# Altium PCB SJ2096POE.PcbDoc (part 2 of 5) (continued)
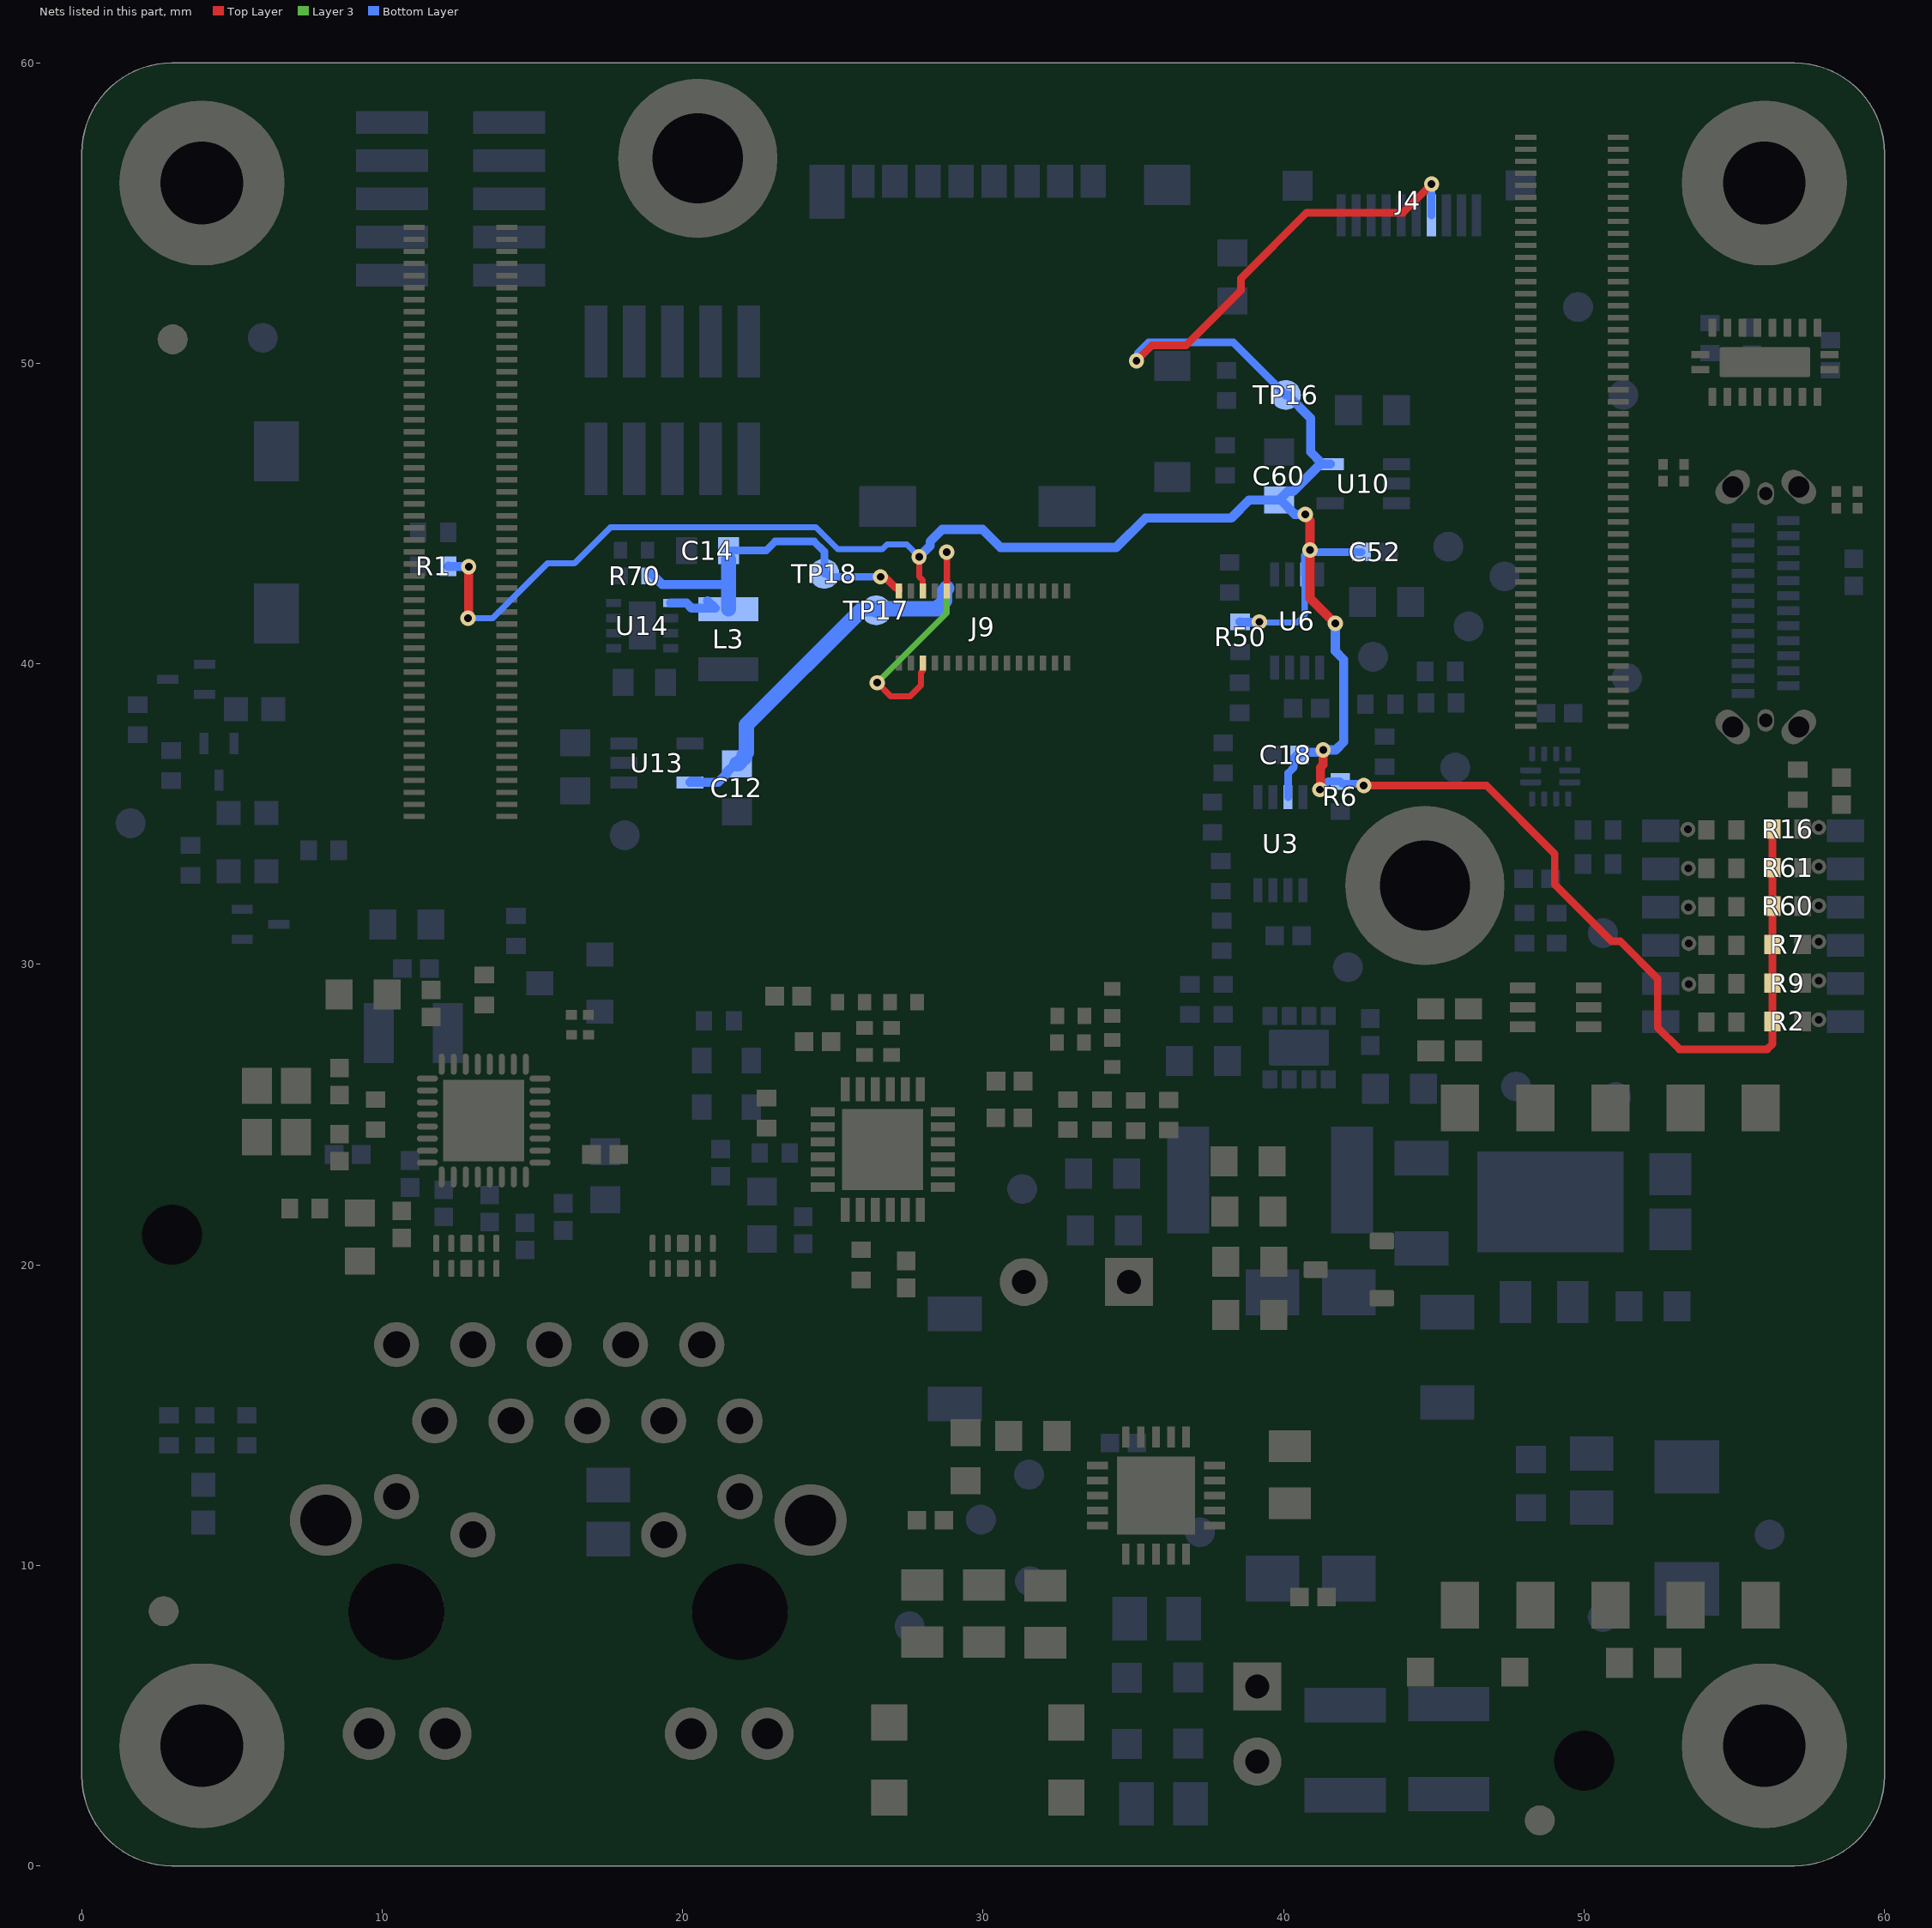
[diagram p4: the nets of this part, all layers, seen from the top]
## Part data (continued)
R187 R190: library part CRCW04021M80FKED, "RES SMD 1.8M OHM 1% 1/16W 0402", Case Code (Imperial)=0402, Case Code (Metric)=1005, Manufacturer 1=Vishay, Max Operating Temperature=155°C, Min Operating Temperature=-55°C, Package Quantity=10000, Power Rating=63mW, Resistance=1.8MR, Supplier Part Number 1=541-1.80MLCT-ND, Temperature Coefficient=100ppm/°C, Tolerance=1%, Voltage Rating=50V, Case/Package=0402, ComponentLink1Description=https://datasheet.ciiva.com/11812/0900766b80d98824-11812579.pdf?src-supplier=RSComponents, ComponentLink1URL=https://datasheet.ciiva.com/11812/0900766b80d98824-11812579.pdf?src-supplier=RSComponents, ComponentLink2Description=https://datasheet.ciiva.com/16886/dcrcwe3-16886536.pdf?src-supplier=Avnet+Europe, ComponentLink2URL=https://datasheet.ciiva.com/16886/dcrcwe3-16886536.pdf?src-supplier=Avnet+Europe, ComponentLink3Description=https://datasheet.ciiva.com/7800/1697337-7800987.pdf?src-supplier=Element14, ComponentLink3URL=https://datasheet.ciiva.com/7800/1697337-7800987.pdf?src-supplier=Element14, ComponentLink4Description=https://datasheet.ciiva.com/16786/70201119-16786875.pdf?src-supplier=Allied+Electronics, ComponentLink4URL=https://datasheet.ciiva.com/16786/70201119-16786875.pdf?src-supplier=Allied+Electronics, ComponentLink5Description=https://datasheet.ciiva.com/22676/1700796-22676027.pdf?src-supplier=Element14, ComponentLink5URL=https://datasheet.ciiva.com/22676/1700796-22676027.pdf?src-supplier=Element14, ComponentLink6Description=https://datasheet.ciiva.com/7800/1697337-7800988.pdf?src-supplier=Element14, ComponentLink6URL=https://datasheet.ciiva.com/7800/1697337-7800988.pdf?src-supplier=Element14, ComponentLink7Description=https://datasheet.ciiva.com/26316/fld-crcw-e3-data-en-26316605.pdf?src-supplier=Distrelec, ComponentLink7URL=https://datasheet.ciiva.com/26316/fld-crcw-e3-data-en-26316605.pdf?src-supplier=Distrelec, ComponentLink8Description=https://datasheet.ciiva.com/8336/dcrcwe3-8336646.pdf?src-supplier=Avnet, ComponentLink8URL=https://datasheet.ciiva.com/8336/dcrcwe3-8336646.pdf?src-supplier=Avnet, Composition="Thick Film", Contact Plating=Tin, Depth=0.5mm, Height=0.35mm, Lead Free="Lead Free", Length=1mm, Manufacturer Part Number 1=CRCW04021M80FKED, Military Standard=Not, Mount="Surface Mount", Number of Pins=2, Packaging="Tape and Reel", Pricing 1="1=0.10000, 10=0.03800, 100=0.01540, 1000=0.00690, 2500=0.00599, 5000=0.00495 (USD)", Radiation Hardening=No, REACH SVHC=Unknown, RoHS=Yes, Stock 1=26061, Supplier 1=Digi-Key, Termination=SMD/SMT, Voltage Rating (DC)=50V, Weight=2.3E-05oz, Width=0.5mm
SW1: library part A6H-6102, "SWITCH SLIDE DIP SPST 25MA 24V (SEALED)", Case/Package=DIP, Contact Resistance=200mR, Current Rating=25mA, Manufacturer 1=Omron, Max Operating Temperature=70°C, Max Voltage Rating (DC)=24V, Min Operating Temperature=-20°C, Package Quantity=54, Supplier Part Number 1=SW1117-ND, Actuator Length=0mm, Actuator Type="Slide (Standard)", ComponentLink1Description=https://datasheet.ciiva.com/26883/getdatasheetpartid-744653-26883354.pdf?src-supplier=Verical, ComponentLink1URL=https://datasheet.ciiva.com/26883/getdatasheetpartid-744653-26883354.pdf?src-supplier=Verical, ComponentLink2Description=https://datasheet.ciiva.com/2864/a6h-1110-2864768.pdf?src-supplier=Digi-Key, ComponentLink2URL=https://datasheet.ciiva.com/2864/a6h-1110-2864768.pdf?src-supplier=Digi-Key, ComponentLink3Description=https://datasheet.ciiva.com/1529/611565-1529044.pdf?src-supplier=Element14, ComponentLink3URL=https://datasheet.ciiva.com/1529/611565-1529044.pdf?src-supplier=Element14, ComponentLink4Description=https://datasheet.ciiva.com/16198/a6h-1110-16198863.pdf?src-supplier=Onlinecomponents.com, ComponentLink4URL=https://datasheet.ciiva.com/16198/a6h-1110-16198863.pdf?src-supplier=Onlinecomponents.com, Depth=6.7mm, Electrical Life=1000Cycles, Height=1.55mm, Length=0.348inch, Manufacturer Part Number 1=A6H-6102, Max Current Rating=25mA, Mechanical Life=1000Cycles, Mount="Surface Mount", Number of Circuits=6, Number of Poles=4, Number of Positions=6, Orientation=Straight, Packaging=Rail/Tube, Pitch=0.05inch, Pricing 1="1=2.66000, 10=2.57900, 25=2.44640, 50=2.28700, 100=2.23380, 250=1.91468, 500=1.86148, 1000=1.59555, 5000=1.46259 (USD)", Radiation Hardening=No, REACH SVHC=Unknown, RoHS=Yes, Stock 1=3953, Supplier 1=Digi-Key, Supplier 2=Mouser, Supplier 3=Farnell, Supplier Part Number 2=653-A6H-6102, Supplier Part Number 3=1829491, Terminal Pitch=1.27mm, Termination="Gull Wing", Throw Configuration=SPST, Voltage Rating (DC)=24V, Washable=Yes, Weight=0.12g, Width=4.5mm
T1: "TRANS FLYBACK POE 127UH SMD", Case/Package=SMD/SMT, Current Rating=1.3A, Frequency=500kHz, Inductance=127uH, Manufacturer 1="Wurth Electronics", Max Input Voltage=57V, Max Operating Temperature=125°C, Min Input Voltage=36V, Min Operating Temperature=-40°C, Output Voltage=5V, Package Quantity=1, Power Rating=13W, Supplier Part Number 1=732-2432-1-ND, ComponentLink1Description="Manufacturer URL", ComponentLink1URL=http://www.we-online.com, ComponentLink2Description=Datasheet, ComponentLink2URL=http://www.we-online.de/katalog/media/pdf/749119950.pdf, ComponentLink3Description=https://datasheet.ciiva.com/1378/749119950-1378246.pdf?src-supplier=Element14, ComponentLink3URL=https://datasheet.ciiva.com/1378/749119950-1378246.pdf?src-supplier=Element14, ComponentLink4Description=https://datasheet.ciiva.com/5309/749119950-91646-5309801.pdf?src-supplier=Mouser, ComponentLink4URL=https://datasheet.ciiva.com/5309/749119950-91646-5309801.pdf?src-supplier=Mouser, ComponentLink5Description=https://datasheet.ciiva.com/1386/749119950-1386647.pdf?src-supplier=Farnell, ComponentLink5URL=https://datasheet.ciiva.com/1386/749119950-1386647.pdf?src-supplier=Farnell, ComponentLink6Description=https://datasheet.ciiva.com/2940/749119950-2940138.pdf?src-supplier=Digi-Key, ComponentLink6URL=https://datasheet.ciiva.com/2940/749119950-2940138.pdf?src-supplier=Digi-Key, ComponentLink7Description=https://datasheet.ciiva.com/2940/749119950-2940139.pdf?src-supplier=Digi-Key, ComponentLink7URL=https://datasheet.ciiva.com/2940/749119950-2940139.pdf?src-supplier=Digi-Key, Height=12.5mm, Height - Seated (Max)=12.5mm, Length=13.5mm, Manufacturer Part Number 1=749119950, Mount="Surface Mount", Packaging="Tape and Reel", Pricing 1="1=5.64000, 10=5.44300, 50=5.14100, 100=4.83800 (USD)", REACH SVHC="No SVHC", RoHS=Yes, Stock 1=148, Supplier 1=Digi-Key, Supplier 2=Digi-Key, Supplier 3=Mouser, Supplier Part Number 2=732-2432-6-ND, Supplier Part Number 3=710-749119950, Width=17.75mm
TP1 TP2 TP3 TP4 TP5 TP6 TP7 TP8 TP9 TP10 TP11 TP12 TP13 TP14 TP15 TP16 TP17 TP18 TP19 TP20 TP21 TP40 TP41 TP42 TP43 TP44: library part TEST_POINT
U1: "IC POE CNTRL 1 CHANNEL 20QFN", Manufacturer 1="Silicon Labs", Supplier Part Number 1=336-4270-ND, ComponentLink1Description=https://www.silabs.com/documents/public/data-sheets/si3404-datasheet.pdf?src-supplier=Digi-Key, ComponentLink1URL=https://www.silabs.com/documents/public/data-sheets/si3404-datasheet.pdf?src-supplier=Digi-Key, Manufacturer Part Number 1=SI3404-A-GM, Pricing 1="1=1.46000, 25=1.41040, 100=1.35600, 1000=1.33340 (USD)", RoHS=No, Stock 1=1481, Supplier 1=Digi-Key, Supplier 2=Mouser, Supplier Part Number 2=634-SI3404-A-GM
U2: "OPTOISOLATOR 5.3KV TRANS 4-SMD", Case/Package=SMD/SMT, Collector Emitter Saturation Voltage=400mV, Collector Emitter Voltage (VCEO)=80V, Current Transfer Ratio=100%, Forward Current=60mA, Forward Voltage=1.1V, Isolation Voltage=5.3kV, Manufacturer 1="Vishay Semiconductors", Max Collector Current=50mA, Max Operating Temperature=110°C, Max Power Dissipation=150mW, Min Operating Temperature=-55°C, Package Quantity=1, Reverse Breakdown Voltage=6V, Supplier Part Number 1=VO618A-3X017TCT-ND, ComponentLink1Description=https://datasheet.ciiva.com/26183/vo618a-26183397.pdf?src-supplier=Avnet+Europe, ComponentLink1URL=https://datasheet.ciiva.com/26183/vo618a-26183397.pdf?src-supplier=Avnet+Europe, ComponentLink2Description=https://datasheet.ciiva.com/2087/vo618a-2087431.pdf?src-supplier=Digi-Key, ComponentLink2URL=https://datasheet.ciiva.com/2087/vo618a-2087431.pdf?src-supplier=Digi-Key, ComponentLink3Description=https://datasheet.ciiva.com/2087/vo618a-2087432.pdf?src-supplier=Digi-Key, ComponentLink3URL=https://datasheet.ciiva.com/2087/vo618a-2087432.pdf?src-supplier=Digi-Key, ComponentLink4Description=https://datasheet.ciiva.com/2087/vo618a-2087433.pdf?src-supplier=Digi-Key, ComponentLink4URL=https://datasheet.ciiva.com/2087/vo618a-2087433.pdf?src-supplier=Digi-Key, Contact Plating=Tin, Input Current=60mA, Lead Free="Lead Free", Manufacturer Part Number 1=VO618A-3X017T, Max Input Current=60mA, Max Output Voltage=80V, Mount="Surface Mount", Number of Channels=1, Number of Elements=1, Number of Pins=4, Output Current per Channel=50mA, Packaging="Tape and Reel", Power Dissipation=150mW, Pricing 1="1=1.04000, 10=0.80900, 100=0.51980, 500=0.43890 (USD)", Radiation Hardening=No, REACH SVHC=Unknown, RoHS=Yes, Stock 1=28306, Supplier 1=Digi-Key, Supplier 2=Newark, Supplier 3=Mouser, Supplier Part Number 2=48W3695, Supplier Part Number 3=78-VO618A-3X017T
U3 U6: library part TXS0102DCUR, "TEXAS INSTRUMENTS - TXS0102DCUR - IC, TRANSLATOR, 2 BIT, BI, US-8", Case/Package=VSSOP, High Level Output Current=-20uA, Low Level Output Current=1mA, Manufacturer 1="Texas Instruments", Max Operating Temperature=85°C, Max Supply Voltage=5.5V, Min Operating Temperature=-40°C, Min Supply Voltage=1.65V, Nominal Supply Current=14.4uA, Output Current=1A, Package Quantity=1, Supplier Part Number 1=296-21931-1-ND, Category="Logic Gates", ComponentLink1Description=https://datasheet.ciiva.com/15096/getdatasheetpartid-118249-15096172.pdf?src-supplier=Verical, ComponentLink1URL=https://datasheet.ciiva.com/15096/getdatasheetpartid-118249-15096172.pdf?src-supplier=Verical, ComponentLink2Description=https://datasheet.ciiva.com/22653/1846850-22653373.pdf?src-supplier=Farnell, ComponentLink2URL=https://datasheet.ciiva.com/22653/1846850-22653373.pdf?src-supplier=Farnell, ComponentLink3Description=https://datasheet.ciiva.com/1508/1857232-1508821.pdf?src-supplier=Element14, ComponentLink3URL=https://datasheet.ciiva.com/1508/1857232-1508821.pdf?src-supplier=Element14, ComponentLink4Description=https://datasheet.ciiva.com/1899/txs0102-1899368.pdf?src-supplier=Digi-Key, ComponentLink4URL=https://datasheet.ciiva.com/1899/txs0102-1899368.pdf?src-supplier=Digi-Key, ComponentLink5Description=https://datasheet.ciiva.com/1899/txs0102-1899369.pdf?src-supplier=Digi-Key, ComponentLink5URL=https://datasheet.ciiva.com/1899/txs0102-1899369.pdf?src-supplier=Digi-Key, ComponentLink6Description=https://datasheet.ciiva.com/1899/txs0102-1899370.pdf?src-supplier=Digi-Key, ComponentLink6URL=https://datasheet.ciiva.com/1899/txs0102-1899370.pdf?src-supplier=Digi-Key, ComponentLink7Description=https://datasheet.ciiva.com/14287/txs0102-14287516.pdf?src-supplier=Avnet, ComponentLink7URL=https://datasheet.ciiva.com/14287/txs0102-14287516.pdf?src-supplier=Avnet, ComponentLink8Description=https://datasheet.ciiva.com/28499/1863639-28499676.pdf?src-supplier=Element14, ComponentLink8URL=https://datasheet.ciiva.com/28499/1863639-28499676.pdf?src-supplier=Element14, ComponentLink9Description=https://datasheet.ciiva.com/14287/txs0102-14287518.pdf?src-supplier=Avnet, ComponentLink9URL=https://datasheet.ciiva.com/14287/txs0102-14287518.pdf?src-supplier=Avnet, ComponentLink10Description=https://datasheet.ciiva.com/46395/1863639-46395871.pdf?src-supplier=Element14, ComponentLink10URL=https://datasheet.ciiva.com/46395/1863639-46395871.pdf?src-supplier=Element14, Data Rate=24Mbps, Lead Free="Lead Free", Logic Function=Translator, Manufacturer Part Number 1=TXS0102DCUR, Number of Bits=2, Number of Channels=2, Number of Inputs=2, Number of Pins=8, Output Type=Voltage, Packaging="Tape and Reel", Pricing 1="1=0.75000, 10=0.65900, 25=0.61960, 100=0.50550, 250=0.46956, 500=0.39964, 1000=0.31971 (USD)", Propagation Delay=4.6ns, Quiescent Current=14.4uA, Radiation Hardening=No, REACH SVHC="No SVHC", RoHS=Yes, Stock 1=55123, Supplier 1=Digi-Key, Supplier 2=Newark, Supplier 3=Mouser, Supplier Part Number 2=30M1878, Supplier Part Number 3=595-TXS0102DCUR, Turn-On Delay Time=260ns, Weight=0.000339oz
U4: library part RTL8111HS, "IC ETHERNET/PCIe PHY Realtek", Manufacturer 1=Realtek, Manufacturer Part Number 1=RTL8111HS-CG, Supplier 1="Symmetry Electronics", Supplier 2="Future Electronics", Supplier Part Number 1=RTL8111HS-CG, Supplier Part Number 2=RTL8111HS-CG
U5: library part TLV431BCDBZR, "IC VREF SHUNT ADJ SOT23-3", Case/Package=SOT-23, Cathode Current=100uA, Manufacturer 1="Texas Instruments", Max Input Voltage=7V, Max Operating Temperature=125°C, Max Output Current=15mA, Max Output Voltage=6V, Min Input Voltage=1.24V, Min Operating Temperature=-40°C, Package Quantity=1, Supplier Part Number 1=296-17569-1-ND, Temperature Coefficient=129ppm/°C, Tolerance=0.5%, ComponentLink1Description=https://datasheet.ciiva.com/26889/tlv431bcdbzr-26889546.pdf?src-supplier=IIIC, ComponentLink1URL=https://datasheet.ciiva.com/26889/tlv431bcdbzr-26889546.pdf?src-supplier=IIIC, ComponentLink2Description=https://datasheet.ciiva.com/2006/tlv431a-2006546.pdf?src-supplier=Digi-Key, ComponentLink2URL=https://datasheet.ciiva.com/2006/tlv431a-2006546.pdf?src-supplier=Digi-Key, ComponentLink3Description=https://datasheet.ciiva.com/2006/tlv431a-2006547.pdf?src-supplier=Digi-Key, ComponentLink3URL=https://datasheet.ciiva.com/2006/tlv431a-2006547.pdf?src-supplier=Digi-Key, ComponentLink4Description=https://datasheet.ciiva.com/2006/tlv431a-2006548.pdf?src-supplier=Digi-Key, ComponentLink4URL=https://datasheet.ciiva.com/2006/tlv431a-2006548.pdf?src-supplier=Digi-Key, ComponentLink5Description=https://datasheet.ciiva.com/26264/tlv431b-26264234.pdf?src-supplier=Avnet+Europe, ComponentLink5URL=https://datasheet.ciiva.com/26264/tlv431b-26264234.pdf?src-supplier=Avnet+Europe, ComponentLink6Description=https://datasheet.ciiva.com/46397/1887487-46397709.pdf?src-supplier=Element14, ComponentLink6URL=https://datasheet.ciiva.com/46397/1887487-46397709.pdf?src-supplier=Element14, Lead Free="Lead Free", Manufacturer Part Number 1=TLV431BCDBZR, Number of Channels=1, Number of Pins=3, Output Current=15mA, Output Voltage=6V, Packaging="Tape and Reel", Pricing 1="1=0.92000, 10=0.81200, 100=0.57850, 500=0.46772, 1000=0.35695 (USD)", Radiation Hardening=No, REACH SVHC="No SVHC", Reference Type=Shunt,Adjustable, Reference Voltage=6V, RoHS=Yes, Stock 1=3209, Supplier 1=Digi-Key, Supplier 2="TI store", Supplier 3=Mouser, Supplier Part Number 2=TLV431BCDBZR, Supplier Part Number 3=595-TLV431BCDBZR
U7: "IC CLK GENERATOR 200MHZ 24QFN", Case/Package=QFN, Frequency=100MHz, Manufacturer 1="Silicon Labs", Max Frequency=200MHz, Max Operating Temperature=85°C, Max Supply Voltage=3.465V, Min Operating Temperature=-40°C, Min Supply Voltage=3.135V, Operating Supply Voltage=3.3V, Package Quantity=490, Supplier Part Number 1=336-2157-ND, Category="Clock and Timing", ComponentLink1Description=https://datasheet.ciiva.com/1178/si52142-1178690.pdf?src-supplier=Digi-Key, ComponentLink1URL=https://datasheet.ciiva.com/1178/si52142-1178690.pdf?src-supplier=Digi-Key, ComponentLink2Description=https://datasheet.ciiva.com/26919/getdatasheetpartid-550913-26919827.pdf?src-supplier=Verical, ComponentLink2URL=https://datasheet.ciiva.com/26919/getdatasheetpartid-550913-26919827.pdf?src-supplier=Verical, ComponentLink3Description=https://datasheet.ciiva.com/46413/1813417-46413349.pdf?src-supplier=Element14, ComponentLink3URL=https://datasheet.ciiva.com/46413/1813417-46413349.pdf?src-supplier=Element14, ComponentLink4Description=https://datasheet.ciiva.com/4771/si52142-4771159.pdf?src-supplier=Mouser, ComponentLink4URL=https://datasheet.ciiva.com/4771/si52142-4771159.pdf?src-supplier=Mouser, Height=0.75mm, Input=Clock, Length=4mm, Manufacturer Part Number 1=SI52142-A01AGM, Max Duty Cycle=55%, Number of Circuits=1, Number of Outputs=2, Number of Pins=24, Packaging=Tray, PLL=Yes, Pricing 1="1=1.81000, 25=1.66320, 100=1.51200, 1000=1.36080 (USD)", Radiation Hardening=No, REACH SVHC=Unknown, RoHS=Yes, Stock 1=398, Supplier 1=Digi-Key, Supplier 2=Mouser, Supplier 3=Newark, Supplier Part Number 2=634-SI52142A01A-GM, Supplier Part Number 3=54X5497, Width=4mm
U9: "DC DC CONVERTER 0.9-5V", Case/Package=SMD/SMT, Manufacturer 1="Texas Instruments", Manufacturer Part Number 1=TPS82130SILR, Max Input Voltage=17V, Max Operating Temperature=125°C, Max Output Current=3A, Min Input Voltage=3V, Min Operating Temperature=-40°C, Quiescent Current=20uA, Supplier Part Number 1=595-TPS82130SILR, Voltage - Output 1=5V, Category="Voltage Regulators - Switching", ComponentLink1Description=http://www.ti.com/lit/ds/symlink/tps82130.pdf?src-supplier=Digi-Key, ComponentLink1URL=http://www.ti.com/lit/ds/symlink/tps82130.pdf?src-supplier=Digi-Key, ComponentLink2Description=http://www.ti.com/lit/ds/symlink/tps82130.pdf?src-supplier=Newark, ComponentLink2URL=http://www.ti.com/lit/ds/symlink/tps82130.pdf?src-supplier=Newark, ComponentLink3Description=http://www.ti.com/lit/gpn/tps82130?src-supplier=Mouser, ComponentLink3URL=http://www.ti.com/lit/gpn/tps82130?src-supplier=Mouser, Features=OTP, Height=0.06inch, Lead Free="Lead Free", Length=0.12inch, Mount="Surface Mount", Number of Outputs=1, Packaging="Tape and Reel", Pricing 1="1=3.82000, 10=3.43000, 100=2.81000, 250=2.64000, 500=2.39000, 1000=2.02000 (USD)", RoHS=Yes, Stock 1=83975, Supplier 1=Mouser, Supplier 2=Newark, Supplier 3=Digi-Key, Supplier Part Number 2=33AH5407, Supplier Part Number 3=296-43922-1-ND, Width=0.11inch
U10: "IC REG LINEAR 1.8V 200MA SC70-5 Linear Voltage Regulator IC  1 Output  200mA SC-70-5", Case/Package=SC, Dropout Voltage=175mV, Manufacturer 1="Texas Instruments", Manufacturer Part Number 1=TLV70018DCKR, Manufacturer Part Number 2=TLV70018DCKT, Max Input Voltage=5.5V, Max Operating Temperature=125°C, Max Output Current=200mA, Max Output Voltage=1.8V, Max Power Dissipation=320mW, Min Current Limit=220mA, Min Input Voltage=2V, Min Operating Temperature=-40°C, Nominal Supply Current=31uA, Output Voltage Accuracy=2%, Package Quantity=1, Quiescent Current=30uA, Supplier Part Number 1=296-32409-1-ND, Accuracy=2%, ComponentLink1Description=https://datasheet.ciiva.com/41462/001014631-da-01-en-ic-reg-ldo-1-8v-0-tlv70018dckr-sot-5-tid-41462480.pdf?src-supplier=Conrad, ComponentLink1URL=https://datasheet.ciiva.com/41462/001014631-da-01-en-ic-reg-ldo-1-8v-0-tlv70018dckr-sot-5-tid-41462480.pdf?src-supplier=Conrad, ComponentLink2Description=https://datasheet.ciiva.com/22700/1882059-22700171.pdf?src-supplier=Element14, ComponentLink2URL=https://datasheet.ciiva.com/22700/1882059-22700171.pdf?src-supplier=Element14, ComponentLink3Description=https://datasheet.ciiva.com/14149/tlv700-eng-ds-14149837.pdf?src-supplier=Distrelec, ComponentLink3URL=https://datasheet.ciiva.com/14149/tlv700-eng-ds-14149837.pdf?src-supplier=Distrelec, ComponentLink4Description=https://datasheet.ciiva.com/7992/1882059-7992894.pdf?src-supplier=Element14, ComponentLink4URL=https://datasheet.ciiva.com/7992/1882059-7992894.pdf?src-supplier=Element14, Contact Plating=Gold, Height=1mm, Lead Free="Lead Free", Length=2.15mm, Manufacturer 2="Texas Instruments", Min Output Voltage=1.8V, Nominal Output Voltage=1.8V, Number of Outputs=1, Number of Pins=5, Number of Regulators=1, Output Current=200mA, Output Type=Fixed, Output Voltage=1.8V, Packaging="Tape and Reel", Polarity=Positive, Power Dissipation=320mW, Power Rating=320mW, Pricing 1="1=0.48000, 10=0.40900, 100=0.30570, 500=0.24020, 1000=0.18561 (USD)", Pricing 2="1=0.55000, 10=0.46700, 100=0.34900 (USD)", Radiation Hardening=No, REACH SVHC="No SVHC", RoHS=Yes, Stock 1=63905, Stock 2=13188, Supplier 1=Digi-Key, Supplier 2=Digi-Key, Supplier Part Number 2=296-25269-1-ND, Width=1.4mm
U11 U12: library part LM66100DCKR, "IC OR CTRLR IDEAL DIODE SC70-6", Manufacturer 1="Texas Instruments", Supplier Part Number 1=296-53541-1-ND, Category="Integrated Circuits (ICs)", Manufacturer Part Number 1=LM66100DCKR, Pricing 1="1=0.41000, 10=0.32900, 25=0.30120, 100=0.20300, 250=0.16800, 500=0.15400, 1000=0.11550 (USD)", RoHS=No, Stock 1=8042, Supplier 1=Digi-Key, Supplier 2=Digi-Key, Supplier 3=Mouser, Supplier 4=Arrow, Supplier Part Number 2=296-53541-2-ND, Supplier Part Number 3=595-LM66100DCKR, Supplier Part Number 4=LM66100DCKR
U13: "IC REG LINEAR 2.8V 200MA SC70-5 Linear Voltage Regulator IC  1 Output  200mA SC-70-5", Case/Package=SC, Dropout Voltage=175mV, Manufacturer 1="Texas Instruments", Manufacturer Part Number 1=TLV70028DCKT, Manufacturer Part Number 2=TLV70028DCKR, Max Input Voltage=5.5V, Max Operating Temperature=125°C, Max Output Current=200mA, Max Output Voltage=2.8V, Max Power Dissipation=320mW, Min Current Limit=220mA, Min Input Voltage=2V, Min Operating Temperature=-40°C, Nominal Supply Current=31uA, Output Voltage Accuracy=2%, Package Quantity=1, Quiescent Current=30uA, Supplier Part Number 1=296-39279-1-ND, Accuracy=2%, ComponentLink1Description=https://datasheet.ciiva.com/14149/tlv700-eng-ds-14149840.pdf?src-supplier=Distrelec, ComponentLink1URL=https://datasheet.ciiva.com/14149/tlv700-eng-ds-14149840.pdf?src-supplier=Distrelec, ComponentLink2Description=https://datasheet.ciiva.com/22700/1882059-22700172.pdf?src-supplier=Element14, ComponentLink2URL=https://datasheet.ciiva.com/22700/1882059-22700172.pdf?src-supplier=Element14, ComponentLink3Description=http://components.arrow.com/part/dataview/0323_00585634?src-supplier=Arrow+Europe, ComponentLink3URL=http://components.arrow.com/part/dataview/0323_00585634?src-supplier=Arrow+Europe, ComponentLink4Description=http://focus.ti.com/lit/ds/symlink/tlv70033.pdf?src-supplier=Avnet+Europe, ComponentLink4URL=http://focus.ti.com/lit/ds/symlink/tlv70033.pdf?src-supplier=Avnet+Europe, ComponentLink5Description=http://www.ti.com/lit/ds/slvsa00d/slvsa00d.pdf?src-supplier=Digi-Key, ComponentLink5URL=http://www.ti.com/lit/ds/slvsa00d/slvsa00d.pdf?src-supplier=Digi-Key, ComponentLink6Description=http://www.ti.com/lit/pdf/slyy050?src-supplier=Digi-Key, ComponentLink6URL=http://www.ti.com/lit/pdf/slyy050?src-supplier=Digi-Key, ComponentLink7Description=http://www.ti.com/general/docs/lit/getliterature.tsp?genericPartNumber=TLV700&&fileType=pdf&src-supplier=Avnet+Asia, ComponentLink7URL=http://www.ti.com/general/docs/lit/getliterature.tsp?genericPartNumber=TLV700&&fileType=pdf&src-supplier=Avnet+Asia, ComponentLink8Description=http://www.ti.com/general/docs/lit/getliterature.tsp?genericPartNumber=TLV700&&fileType=pdf&src-supplier=Avnet, ComponentLink8URL=http://www.ti.com/general/docs/lit/getliterature.tsp?genericPartNumber=TLV700&&fileType=pdf&src-supplier=Avnet, ComponentLink9Description=http://components.arrow.com/part/dataview/48329233S8322732N7713?src-supplier=Arrow, ComponentLink9URL=http://components.arrow.com/part/dataview/48329233S8322732N7713?src-supplier=Arrow, ComponentLink10Description=http://www.ti.com/litv/slvsa00d?src-supplier=Mouser, ComponentLink10URL=http://www.ti.com/litv/slvsa00d?src-supplier=Mouser, ComponentLink11Description=http://www.ti.com/lit/ds/slvsa00e/slvsa00e.pdf?src-supplier=Digi-Key, ComponentLink11URL=http://www.ti.com/lit/ds/slvsa00e/slvsa00e.pdf?src-supplier=Digi-Key, Contact Plating=Gold, Height=1mm, Lead Free="Lead Free", Length=2.15mm, Manufacturer 2="Texas Instruments", Max Supply Voltage=5.5V, Min Output Voltage=2.8V, Min Supply Voltage=2V, Nominal Output Voltage=2.8V, Number of Outputs=1, Number of Pins=5, Number of Regulators=1, Output Current=200mA, Output Type=Fixed, Output Voltage=2.8V, Packaging="Tape and Reel", Polarity=Positive, Power Dissipation=320mW, Power Rating=320mW, Pricing 1="1=0.55000, 10=0.46700, 100=0.34900 (USD)", Pricing 2="1=0.48000, 10=0.40900, 100=0.30570, 500=0.24020, 1000=0.18561 (USD)", Radiation Hardening=No, REACH SVHC="No SVHC", RoHS=Yes, Stock 1=832, Stock 2=30013, Supplier 1=Digi-Key, Supplier 2=Digi-Key, Supplier Part Number 2=296-25271-1-ND, Termination=SMD/SMT, Width=1.4mm
U14: "IC REG BUCK ADJ 1.2A SYNC 8WSON", Manufacturer 1="Texas Instruments", Manufacturer Part Number 1=TLV62080DSGR, Manufacturer Part Number 2=TLV62080DSGT, Max Input Voltage=5.5V, Max Operating Temperature=125°C, Max Output Current=1.2A, Max Output Voltage=4V, Min Input Voltage=2.5V, Min Operating Temperature=-40°C, Min Output Voltage=500mV, Nominal Supply Current=30uA, Package Quantity=3000, Supplier Part Number 1=296-39270-1-ND, Switching Frequency=2MHz, ComponentLink1Description=https://datasheet.ciiva.com/6604/tlv62080-6604087.pdf?src-supplier=Digi-Key, ComponentLink1URL=https://datasheet.ciiva.com/6604/tlv62080-6604087.pdf?src-supplier=Digi-Key, ComponentLink2Description=https://datasheet.ciiva.com/14378/tlv62080-14378282.pdf?src-supplier=Avnet, ComponentLink2URL=https://datasheet.ciiva.com/14378/tlv62080-14378282.pdf?src-supplier=Avnet, ComponentLink3Description=https://datasheet.ciiva.com/29732/tlv62080-29732147.pdf?src-supplier=Digi-Key, ComponentLink3URL=https://datasheet.ciiva.com/29732/tlv62080-29732147.pdf?src-supplier=Digi-Key, ComponentLink4Description=https://datasheet.ciiva.com/29732/tlv62080-29732156.pdf?src-supplier=Digi-Key, ComponentLink4URL=https://datasheet.ciiva.com/29732/tlv62080-29732156.pdf?src-supplier=Digi-Key, ComponentLink5Description=https://datasheet.ciiva.com/29732/tlv62080-29732151.pdf?src-supplier=Digi-Key, ComponentLink5URL=https://datasheet.ciiva.com/29732/tlv62080-29732151.pdf?src-supplier=Digi-Key, ComponentLink6Description=https://datasheet.ciiva.com/14378/tlv62080-14378283.pdf?src-supplier=Avnet, ComponentLink6URL=https://datasheet.ciiva.com/14378/tlv62080-14378283.pdf?src-supplier=Avnet, ComponentLink7Description=https://datasheet.ciiva.com/26104/tlv62080-26104460.pdf?src-supplier=Avnet+Europe, ComponentLink7URL=https://datasheet.ciiva.com/26104/tlv62080-26104460.pdf?src-supplier=Avnet+Europe, Contact Plating=Gold, Lead Free="Lead Free", Manufacturer 2="Texas Instruments", Min Supply Voltage=2.5V, Mount="Surface Mount", Number of Outputs=1, Number of Pins=8, Output Configuration=Positive, Output Current=1.2A, Output Type=Adjustable, Output Voltage=4V, Packaging="Tape and Reel", Pricing 1="1=1.35000, 10=1.20300, 100=0.93810, 500=0.77498, 1000=0.61182 (USD)", Pricing 2="1=1.48000, 10=1.32700, 100=1.06620 (USD)", Quiescent Current=30uA, Radiation Hardening=No, REACH SVHC="No SVHC", RoHS=Yes, Stock 1=93781, Stock 2=6366, Supplier 1=Digi-Key, Supplier 2=Digi-Key, Supplier Part Number 2=296-36759-1-ND, Synchronous Rectifier=Yes
U61: library part HD3SS3212RKSR, "IC MUX 2:1 8 OHM 20VQFN", Case/Package=VQFN, Manufacturer 1="Texas Instruments", Max Operating Temperature=70°C, Max Supply Voltage=3.6V, Min Operating Temperature=0°C, Min Supply Voltage=3V, Supplier Part Number 1=296-42174-1-ND, Bandwidth=8GHz, ComponentLink1Description=http://www.ti.com/general/docs/lit/getliterature.tsp?genericPartNumber=HD3SS3212&&fileType=pdf&src-supplier=Avnet, ComponentLink1URL=http://www.ti.com/general/docs/lit/getliterature.tsp?genericPartNumber=HD3SS3212&&fileType=pdf&src-supplier=Avnet, ComponentLink2Description=http://www.ti.com/general/docs/lit/getliterature.tsp?genericPartNumber=HD3SS3212&amp;&amp;fileType=pdf&src-supplier=Farnell, ComponentLink2URL=http://www.ti.com/general/docs/lit/getliterature.tsp?genericPartNumber=HD3SS3212&amp;&amp;fileType=pdf&src-supplier=Farnell, ComponentLink3Description=http://www.ti.com/lit/ds/symlink/hd3ss3212.pdf?src-supplier=Digi-Key, ComponentLink3URL=http://www.ti.com/lit/ds/symlink/hd3ss3212.pdf?src-supplier=Digi-Key, ComponentLink4Description=http://www.ti.com/lit/gpn/hd3ss3212?src-supplier=Mouser, ComponentLink4URL=http://www.ti.com/lit/gpn/hd3ss3212?src-supplier=Mouser, ComponentLink5Description=http://www.ti.com/general/docs/lit/getliterature.tsp?genericPartNumber=HD3SS3212&&fileType=pdf&src-supplier=Element14, ComponentLink5URL=http://www.ti.com/general/docs/lit/getliterature.tsp?genericPartNumber=HD3SS3212&&fileType=pdf&src-supplier=Element14, Data Rate=480Mbps, Lead Free="Lead Free", Manufacturer Part Number 1=HD3SS3212RKSR, Mount=Standard, Number of Pins=20, Number of Ports=3, Packaging="Tape and Reel", Pricing 1="1=1.79000, 10=1.61000, 100=1.29440, 500=1.06348, 1000=0.88117 (USD)", REACH SVHC="No SVHC", RoHS=Yes, Stock 1=36674, Supplier 1=Digi-Key, USB Standard="USB 3.1"
U62: library part TUSB321RWBR, "IC USB PORT CONTROL TYPE-C 12X2Q", Manufacturer 1="Texas Instruments", Max Operating Temperature=70°C, Max Supply Voltage=5.5V, Min Operating Temperature=0°C, Min Supply Voltage=4.5V, Supplier Part Number 1=296-42400-1-ND, ComponentLink1Description=http://www.ti.com/general/docs/lit/getliterature.tsp?genericPartNumber=TUSB321&&fileType=pdf&src-supplier=Avnet+Asia, ComponentLink1URL=http://www.ti.com/general/docs/lit/getliterature.tsp?genericPartNumber=TUSB321&&fileType=pdf&src-supplier=Avnet+Asia, ComponentLink2Description=http://www.ti.com/general/docs/lit/getliterature.tsp?genericPartNumber=TUSB321&&fileType=pdf&src-supplier=Farnell, ComponentLink2URL=http://www.ti.com/general/docs/lit/getliterature.tsp?genericPartNumber=TUSB321&&fileType=pdf&src-supplier=Farnell, ComponentLink3Description=http://www.ti.com/lit/ds/symlink/tusb321.pdf?src-supplier=Digi-Key, ComponentLink3URL=http://www.ti.com/lit/ds/symlink/tusb321.pdf?src-supplier=Digi-Key, ComponentLink4Description=http://www.ti.com/general/docs/lit/getliterature.tsp?genericPartNumber=TUSB321&&fileType=pdf&src-supplier=Element14, ComponentLink4URL=http://www.ti.com/general/docs/lit/getliterature.tsp?genericPartNumber=TUSB321&&fileType=pdf&src-supplier=Element14, ComponentLink5Description=http://www.ti.com/general/docs/lit/getliterature.tsp?genericPartNumber=TUSB321&&fileType=pdf&src-supplier=Avnet, ComponentLink5URL=http://www.ti.com/general/docs/lit/getliterature.tsp?genericPartNumber=TUSB321&&fileType=pdf&src-supplier=Avnet, Contact Plating=Gold, Lead Free="Lead Free", Manufacturer Part Number 1=TUSB321RWBR, Mount="Surface Mount", Number of Pins=12, Number of Ports=1, Packaging="Tape and Reel", Pricing 1="1=2.27000, 10=2.04200, 100=1.64100, 500=1.34828, 1000=1.11714 (USD)", REACH SVHC="No SVHC", RoHS=Yes, Stock 1=7746, Supplier 1=Digi-Key, USB Standard="USB 3.1"
X1: library part ECS-250-18-36B-CKY-TR, "CRYSTAL 25.0000MHZ 18PF SMD 25MHz ±10ppm Crystal 18pF 50 Ohms 4-SMD, No Lead", Manufacturer 1="ECS International", Supplier Part Number 1=XC3051CT-ND, Manufacturer Part Number 1=ECS-250-18-36B-CKY-TR, Pricing 1="1=0.48000, 10=0.39900, 50=0.35880, 100=0.31900, 500=0.30306 (USD)", RoHS=No, Stock 1=1111, Supplier 1=Digi-Key, Supplier 2=Mouser, Supplier 3=Arrow, Supplier Part Number 2=520-250-18-36B-CKYT, Supplier Part Number 3=ECS-250-18-36B-CKY-TR

## Free pads (board coordinates)
  round 1.524 hole 2: 3(50,3.5) 4(3,21)
  round 0.5 hole 0.254: 5(53.454,34.494) 5(53.472,33.195) 5(53.474,31.904) 5(53.486,29.342) 5(53.489,30.696) 5(57.812,28.157) 5(57.812,29.457) 5(57.812,30.757) 5(57.812,31.957) 5(57.812,33.257) 5(57.812,34.557)

## Via types
v1: diameter 0.508, hole 0.254, Top Layer to Bottom Layer, tented both sides, 674 vias
v2: diameter 0.406, hole 0.203, Top Layer to Bottom Layer, 10 vias
v3: diameter 0.508, hole 0.254, Top Layer to Bottom Layer, 2 vias

## Nets (pads, with @x,y where several pads share a name; then routed paths per layer and width w, separated by ;. In a path a pad name is that pad's centre, name@x,y a point inside that pad or via, vN(x,y) a via of type N, cw(c..) or ccw(c..) an arc to the next point about the centre after c; other vN are vias at no path point)
1V05: C14.2 J9.15 L3.2 R70.2 TP18.1 U14.5 | length 13.3
  Top Layer w0.254: v1(26.583,42.9) 26.631,42.851 26.771,42.851 27.071,42.551 27.177,42.551 27.194,42.534 J9.15@27.194,42.428
  Bottom Layer w0.254: C14.2@21.526,43.775 22.775,43.775 23.075,44.075 24.375,44.075 24.714,43.736 TP18.1@24.714,43.086 ; TP18.1@24.714,43.002 TP18.1@24.714,43.086 ; v1(26.583,42.9) 24.9,42.9 TP18.1@24.714,43.086
  Bottom Layer w0.3: R70.2@18.951,43.061 18.951,43.011 19.321,42.64 21.525,42.64 ; U14.5@19.601,42.025 20.126,42.025 20.301,41.85 21.083,41.85 L3.2@20.833,42.1 ; 21.525,42.894 21.527,42.894
  Bottom Layer w0.508: L3.2@21.525,41.825 21.525,42.894 C14.2@21.525,43.475
1V8: C18.2 C52.2 C60.2 J4.7 J9.13 R1.1 R2.2 R6.2 R7.2 R9.2 R16.2 R50.2 R60.2 R61.2 TP16.1 U3.3 U6.3 U10.5 | length 106.1
  Top Layer w0.203: v1(27.868,43.563) 27.874,43.557 27.874,42.9 27.986,42.788 27.986,42.437 J9.13@27.994,42.428
  Top Layer w0.254: v1(35.103,50.089) 35.611,50.597 36.747,50.597 38.583,52.432 38.583,52.834 40.765,55.016 43.972,55.016 v1(44.924,55.968) ; v1(42.668,35.954) 46.746,35.954 49.025,33.675 49.025,32.663 50.913,30.775 51.2,30.775 52.45,29.525 52.45,27.9 53.175,27.175 56.095,27.175 56.272,27.352 R2.2@56.272,28.102 R9.2@56.272,29.382 R7.2@56.272,30.662 R60.2@56.272,31.942 R61.2@56.272,33.222 R16.2@56.272,34.502
  Top Layer w0.305: v1(12.85,41.525) 12.878,41.553 v1(12.878,43.234) ; v1(40.725,44.975) 40.725,44.92 40.881,44.764 v1(40.881,43.788) 40.881,42.181 41.711,41.351 v1(41.72,41.351) ; v1(41.207,35.817) 41.225,35.836 41.225,36.55 41.317,36.642 v1(41.317,37.137)
  Bottom Layer w0.203: v1(12.85,41.525) 13.675,41.525 15.5,43.35 16.4,43.35 17.6,44.55 24.432,44.55 25.165,43.817 26.642,43.817 26.8,43.975 27.456,43.975 v1(27.868,43.563) ; v1(39.198,41.401) 39.217,41.382 40.451,41.382 40.7,41.63 40.7,42.4 U6.3@40.7,42.978
  Bottom Layer w0.254: v1(35.103,50.089) 35.151,50.137 35.151,50.341 35.509,50.698 38.327,50.698 TP16.1@40.075,48.95 ; U3.3@40.15,35.566 40.15,36.366 40.345,36.561 40.345,36.89 C18.2@40.545,37.091 ; U6.3@40.7,42.978 40.7,43.608 40.816,43.724 C52.2@42.591,43.724 ; v1(41.207,35.817) 41.489,36.1 41.87,36.1 R6.2@41.883,36.087 41.962,36.008 42.545,36.008 42.6,35.954 v1(42.668,35.954) ; J4.7@44.916,54.93 44.92,54.934 44.92,55.965 v1(44.924,55.968)
  Bottom Layer w0.305: R1.1@12.2,43.25 12.208,43.242 12.87,43.242 v1(12.878,43.234) ; v1(27.868,43.563) 28.239,43.934 28.239,44.074 28.64,44.475 29.975,44.475 30.575,43.875 34.425,43.875 35.4,44.85 38.25,44.85 38.85,45.45 C60.2@39.85,45.45 ; R50.2@38.554,41.396 38.568,41.382 39.252,41.382 39.233,41.401 v1(39.198,41.401) ; TP16.1@40.075,48.95 40.125,48.95 40.9,48.175 40.9,47.05 41.252,46.698 41.3,46.65 U10.5@41.55,46.65 ; C18.2@40.528,36.977 40.613,37.063 41.188,37.063 41.262,37.137 41.736,37.137 42,37.401 42,40.147 41.72,40.426 v1(41.72,41.351) ; v1(40.725,44.975) 40.375,44.975 39.9,45.45 C60.2@39.85,45.45 ; U10.5@41.177,46.602 40.323,45.748 40.148,45.748 C60.2@39.85,45.45
2V8: C12.2 J9.11 J9.18 TP17.1 U13.5 | length 23.3
  Top Layer w0.203: v1(26.475,39.375) 26.925,38.925 27.568,38.925 27.925,39.282 27.925,39.711 27.986,39.772 27.986,40.02 J9.18@27.994,40.028 ; v1(28.788,43.72) 28.794,43.714 J9.11@28.794,42.428
  Layer 3 w0.203: v1(26.475,39.375) 28.788,41.688 v1(28.788,43.72)
  Bottom Layer w0.203: 28.725,42.1 28.788,42.163 28.788,42.521 v1(28.788,43.72)
  Bottom Layer w0.305: U13.5@20.554,36.104 20.289,36.104 U13.5@20.242,36.057 21.178,36.057 21.451,36.329 21.451,36.379 21.749,36.677 C12.2@21.799,36.677
  Bottom Layer w0.508: C12.2@21.799,36.677 21.849,36.677 22.045,36.873 22.045,36.973 22.121,37.049 22.121,37.621 22.121,37.971 25.985,41.835 TP17.1@26.494,41.835 ; TP17.1@26.441,41.783 TP17.1@26.494,41.835 ; 28.788,42.521 28.725,42.457 28.725,42.1 28.46,41.835 TP17.1@26.494,41.835